# Altium PCB MB1261.PcbDoc (part 1 of 6) (continued)
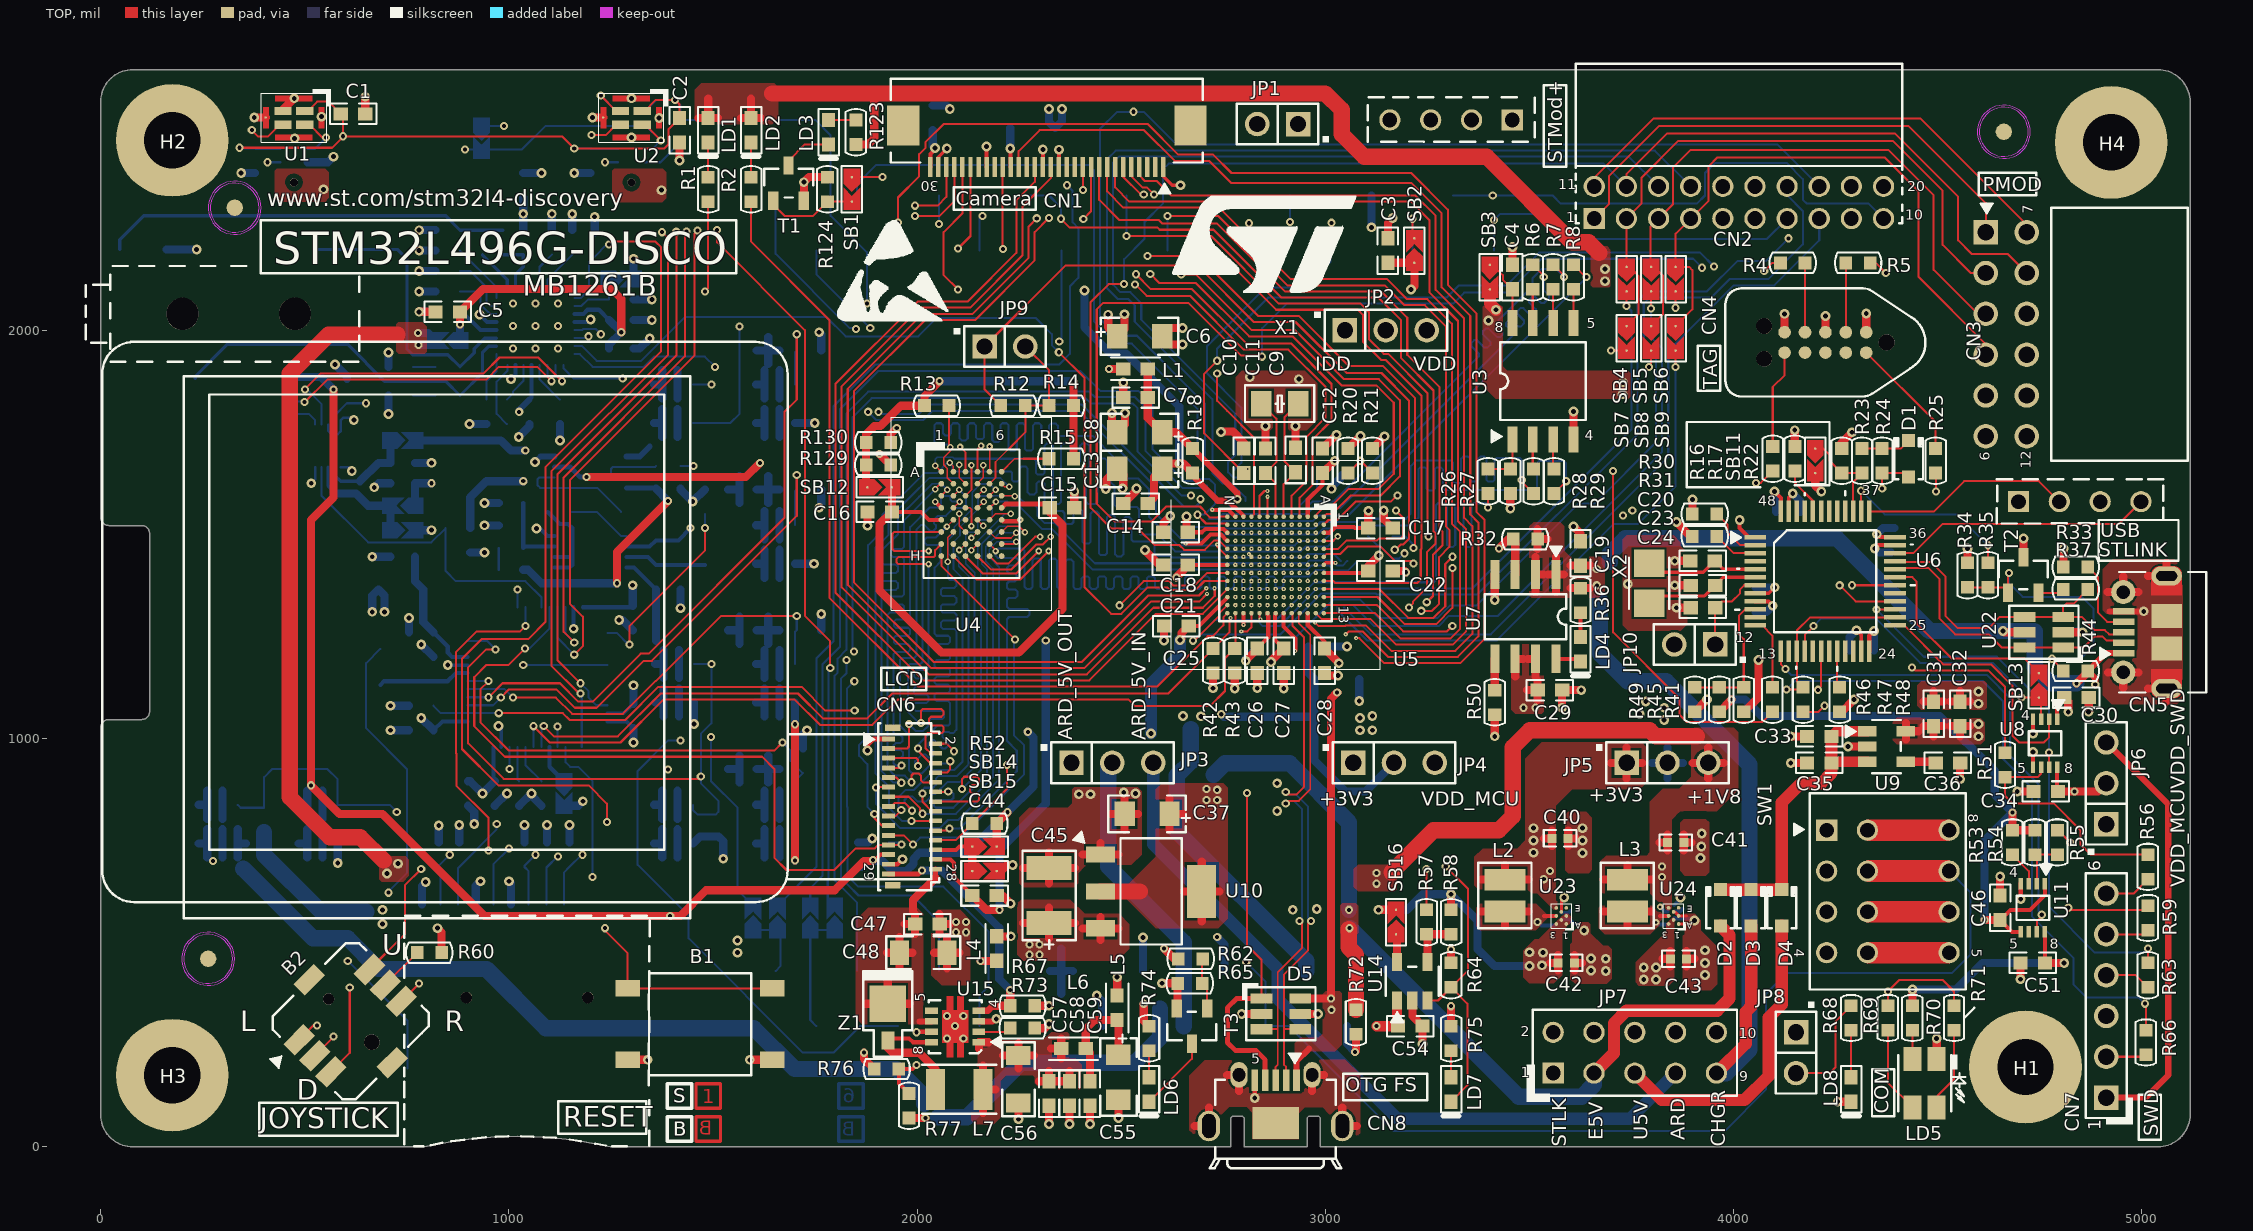
[diagram p0: TOP view]
## Components (designator, comment, footprint, x,y, rotation, side; value= is the part's Value field where it differs from the comment) (continued)
JP1 "[N/A]" SIP2 2883.1,2505 r180 top
JP2 "3 PIN Jumper" SIP3 3148.1,2000 r0 top
JP3 "3 PIN Jumper" SIP3 2478.1,940 r0 top
JP4 "Jumper3" SIP3 3168.1,940 r0 top
JP5 "3 PIN Jumper" SIP3 3838.1,940 r0 top
JP6 "3 PIN Jumper" SIP3 4913.1,890 r90 top
JP7 "Header M Straight 5x2H" HDR_2X5_2R54 3758.49,230 r0 top
JP8 "2 PIN Jumper" SIP2 4153.1,230 r270 top
JP9 "2 PIN Jumper" SIP2 2215,1960 r0 top
JP10 "[N/A]" SIP2 3905,1230 r180 top
L1 "FCM1608KF-601T03" 0603L 2535,1905 r0 top value=100uH
L2 "2.2uH" L1008_L0805_CPT 3440,615 r90 top
L3 "2.2uH" L1008_L0805_CPT 3740,615 r90 top
L4 "FCM1608KF-601T03" 0603L 2195,485 r270 top value=100uH
L5 "FCM1608KF-601T03" 0603L 2490,340 r270 top value=100uH
L6 "FCM1608KF-601T03" 0603L 2383.1,240 r180 top value=100uH
L7 "LQH32PN4R7NN0L" 1210L 2103.1,140 r180 top value=100uH
L8 "FCM1608KF-601T03" 0603L 740,1445 r0 bottom value=100uH
LD1 "19-217/S2C-AM2N2VY/3T" 0603D 1488.1,2490 r270 top
LD2 "19-213SY6C/S530-E2/TR8LED" 0603D 1593.1,2490 r270 top
LD3 "19-213SY6C/S530-E2/TR8LED" 0603D 1783.1,2485 r270 top
LD4 "19-217/R6C-AL1M2VY/3T" 0603D 3625,1218.1 r270 top
LD5 "HSMF-A201-A00J1" LED2_3528 4468.1,155 r180 top
LD6 "19-213SY6C/S530-E2/TR8LED" 0603D 2568.1,140 r270 top
LD7 "19-217/R6C-AL1M2VY/3T" 0603D 3308.1,140 r270 top
LD8 "19-213SY6C/S530-E2/TR8LED" 0603D 4288.1,140 r270 top
R1 "RC0603FR-07680RL" 0603R 1488.1,2345 r90 top value=680
R2 "RC0603FR-07510RL" 0603R 1593.1,2345 r90 top value=510
R4 "RC0603JR-07100RL" 0603R 4145,2165 r180 top value=100
R5 "RC0603JR-07100RL" 0603R 4305,2165 r0 top value=100
R6 "RC0603JR-0722RL" 0603R 3508.1,2130 r270 top value=22
R7 "RC0603JR-0722RL" 0603R 3558.1,2130 r270 top value=22
R8 "RC0603JR-0722RL" 0603R 3608.1,2130 r270 top value=22
R12 "0" 0603R 2235,1815 r180 top
R13 "RC0603FR-07100KL" 0603R 2048.1,1815 r180 top value=100K
R14 "RC0603FR-07100KL" 0603R 2353.1,1815 r0 top value=100K
R15 "RC0603FR-07100KL" 0603R 2353.1,1685 r180 top value=100K
R16 "RC0603JR-07100RL" 0603R 4096,1685 r270 top value=100
R17 "RC0603FR-07100KL" 0603R 4150,1685 r90 top value=100K
R18 "[N/A]" 0603R 2675,1680 r90 top value=0
R20 "RC0603FR-07100KL" 0603R 3055,1680 r270 top value=100K
R21 "[N/A]" 0603R 3115,1680 r270 top value=100K
R22 "RC0603FR-074K7L" 0603R 4265,1680 r270 top value=4K7
R23 "RC0603FR-072K7L" 0603R 4315,1680 r90 top value=2K7
R24 "[N/A]" 0603R 4364.1,1680 r270 top value=0Ohm
R25 "RC0603JR-07100RL" 0603R 4495,1680 r270 top value=100
R26 "RC0603JR-0722RL" 0603R 3398.1,1630 r90 top value=22
R27 "RC0603FR-0710KL" 0603R 3453.1,1630 r270 top value=10K
R28 "RC0603JR-0722RL" 0603R 3510,1630 r90 top value=22
R29 "RC0603JR-0722RL" 0603R 3560,1630 r90 top value=22
R30 "RC0603FR-0710KL" 0603R 3929.1,1550 r0 top value=10K
R31 "[N/A]" 0603R 3929.1,1495 r0 top value=100K
R32 "RC0603FR-0710KL" 0603R 3490,1488.1 r180 top value=10K
R33 "RC0603FR-07100KL" 0603R 4838.1,1420 r0 top value=100K
R34 "RC0603FR-0736KL" 0603R 4573.1,1400 r90 top value=36K
R35 "RC0603JR-07100RL" 0603R 4623.1,1400 r90 top value=100
R36 "820" 0603R 3625,1338.1 r90 top
R37 "RC0603FR-071K5L" 0603R 4838.1,1365 r0 top value=1K5
R41 "[N/A]" 0603R 4025,1095 r90 top value=100K
R42 "RC0603FR-071K5L" 0603R 2725,1190 r90 top value=1K5
R43 "RC0603FR-071K5L" 0603R 2778.1,1190 r90 top value=1K5
R44 "RC0603FR-0710KL" 0603R 4838.1,1165 r180 top value=10K
R45 "RC0603FR-074K7L" 0603R 3965,1095 r270 top value=4K7
R46 "RC0603JR-070RL" 0603R 4095,1095 r270 top value=0
R47 "RC0603JR-070RL" 0603R 4170,1095 r90 top value=0
R48 "RC0603FR-07100KL" 0603R 4260,1095 r90 top value=100K
R49 "RC0603FR-074K7L" 0603R 3905,1095 r270 top value=4K7
R50 "RC0603FR-072K2L" 0603R 3415,1088.1 r90 top value=2K2
R51 "RC0603JR-070RL" 0603R 4665,935 r270 top value=0
R52 "RC0603FR-07100KL" 0603R 2165,791.38 r0 top value=100K
R53 "RC0603FR-07100KL" 0603R 4683.1,745 r90 top value=100K
R54 "RC0603FR-07100KL" 0603R 4738.1,745 r90 top value=100K
R55 "RC0603JR-070RL" 0603R 4793.1,745 r270 top value=0
R56 "RC0603JR-07100RL" 0603R 5015,685 r90 top value=100
R57 "RC0603JR-070RL" 0603R 3248.1,550 r90 top value=0
R58 "RC0603JR-0747KL" 0603R 3308.1,550 r270 top value=47K
R59 "RC0603JR-07100RL" 0603R 5015,560 r90 top value=100
R60 "RC0603JR-07100RL" 0603R 805,475 r180 top value=100
R62 "RC0603JR-0747KL" 0603R 2670,460 r0 top value=47K
R63 "RC0603JR-07100RL" 0603R 5015,420 r90 top value=100
R64 "RC0603JR-0747KL" 0603R 3308.1,420 r270 top value=47K
R65 "RC0603JR-0710KL" 0603R 2668.1,400 r0 top value=10K
R66 "RC0603JR-07100RL" 0603R 5010,255 r90 top value=100
R67 "RC0603FR-0710RL" 0603R 2258.1,345 r0 top value=10
R68 "820" 0603R 4288.1,315 r90 top
R69 "RC0603JR-07100RL" 0603R 4378.1,315 r270 top value=100
R70 "RC0603JR-070RL" 0603R 4438.1,315 r270 top value=0
R71 "RC0603JR-07100RL" 0603R 4540,315 r270 top value=100
R72 "1K" 0603R 3075,305 r270 top
R73 "RC0603FR-07100KL" 0603R 2258.1,290 r0 top value=100K
R74 "RC0603JR-07330RL" 0603R 2568.1,265 r270 top value=330
R75 "RC0603JR-07620RL" 0603R 3308.1,265 r270 top value=620
R76 "RC0603FR-07100KL" 0603R 1925,190 r180 top value=100K
R77 "[N/A]" 0603R 1980,100 r270 top value=100K
R78 "RC0603FR-0710KL" 0603R 1298.1,2530 r0 bottom value=10K
R79 "[N/A]" 0603R 1420,2490 r90 bottom value=10K
R80 "RC0603JR-070RL" 0603R 1035,2355 r270 bottom value=0
R81 "RC0603FR-07100KL" 0603R 850,2245 r180 bottom value=100K
R82 "RC0603FR-072K2L" 0603R 985,2215 r270 bottom value=2K2
R83 "RC0603FR-0710KL" 0603R 1210,2210 r270 bottom value=10K
R84 "RC0603FR-07100KL" 0603R 1735,1950 r180 bottom value=100K
R85 "1_1%_0805" 0805R 1600,1950 r180 bottom value=1
R86 "RC0603FR-0750RL" 0603R 735,1910 r180 bottom value=50
R87 "[N/A]" 0603R 535,1855 r90 bottom value=1K5
R88 "[N/A]" 0603R 465,1855 r270 bottom value=1K5
R89 "[N/A]" 0603R 603,1851 r90 bottom value=100K
R90 "RC0603FR-0750RL" 0603R 735,1840 r180 bottom value=50
R91 "RC0603FR-0710KL" 0603R 1125,1800 r90 bottom value=10K
R92 "RC0603FR-076K04L" 0603R 1390,1666.9 r180 bottom value=6K04
R93 "RC0603JR-070RL" 0603R 3010,1645 r0 bottom value=0
R94 "RC0603FR-07100KL" 0603R 1735,1610 r0 bottom value=100K
R95 "10K_1%_0805" 0805R 1600,1610 r180 bottom value=10K
R96 "RC0603FR-076K04L" 0603R 1245,1555 r0 bottom value=6K04
R97 "RC0603FR-07300KL" 0603R 1125,1555 r180 bottom value=300K
R98 "RC0603FR-0711KL" 0603R 1005,1521.9 r180 bottom value=11K
R99 "[N/A]" 0603R 875,1515 r0 bottom value=100K
R100 "RC0603JR-0722RL" 0603R 3135,1495 r180 bottom value=22
R101 "RC0603FR-07357KL" 0603R 1005,1466.9 r0 bottom value=357K
R102 "RC0603JR-07100RL" 0603R 1480,1455 r270 bottom value=100
R103 "RC0603FR-07300KL" 0603R 1415,1455 r270 bottom value=300K
R104 "[N/A]" 0603R 875,1455 r0 bottom value=100K
R105 "RC0603JR-070RL" 0603R 1005,1413.1 r0 bottom value=0
R106 "RC0603FR-07100KL" 0603R 1735,1265 r180 bottom value=100K
R107 "24_1%_0805" 0805R 1600,1265 r180 bottom value=24
R109 "RC0603FR-07100KL" 0603R 785,1080 r0 bottom value=100K
R110 "RC0603FR-07100KL" 0603R 1720,945 r270 bottom value=100K
R111 "620_1%_0805" 0805R 1600,925 r180 bottom value=620
R112 "RC0603FR-07510RL" 0603R 1080,865 r270 bottom value=510
R113 "RC0603FR-0710KL" 0603R 1025,865 r270 bottom value=10K
R114 "RC0603JR-070RL" 0603R 900,865 r90 bottom value=0
R115 "RC0603FR-07100KL" 0603R 400,800 r90 bottom value=100K
R116 "RC0603FR-07100KL" 0603R 1513.1,790 r270 bottom value=100K
R117 "RC0603FR-07100KL" 0603R 1930,715 r90 bottom value=100K
R118 "47K" 0603R 1148.1,715 r90 bottom
R119 "47K" 0603R 1093.1,715 r90 bottom
R120 "47K" 0603R 1038.1,715 r90 bottom
R121 "47K" 0603R 878.1,715 r90 bottom
R122 "47K" 0603R 828.1,715 r90 bottom
R123 "RC0603JR-07510RL" 0603R 1850,2485 r90 top value=510
R124 "1M" 0603R 1780,2345 r90 top
R129 "RC0603JR-070RL" 0603R 1905,1670 r0 top value=0
R130 "[N/A]" 0603R 1905,1725 r0 top value=0
SB1 "Solder Bridge ON" SB_0603 1840,2345 r90 top
SB2 "Solder Bridge OFF" SB_0603 3218.1,2195 r270 top
SB3 "Solder Bridge ON" SB_0603 3403.1,2130 r90 top
SB4 "Solder Bridge OFF" SB_0603 3738.1,2125 r90 top
SB5 "Solder Bridge OFF" SB_0603 3798.1,2125 r90 top
SB6 "Solder Bridge ON" SB_0603 3858.1,2125 r90 top
SB7 "Solder Bridge ON" SB_0603 3738.1,1980 r90 top
SB8 "Solder Bridge ON" SB_0603 3798.1,1980 r90 top
SB9 "Solder Bridge OFF" SB_0603 3858.1,1980 r90 top
SB11 "Solder Bridge OFF" SB_0603 4200,1680 r90 top
SB12 "Solder Bridge ON" SB_0603 1908.1,1615 r180 top
SB13 "Solder Bridge ON" SB_0603 4748.1,1130 r270 top
SB14 "Solder Bridge ON" SB_0603 2165,735 r180 top
SB15 "Solder Bridge OFF" SB_0603 2165,675 r180 top
SB16 "Solder Bridge ON" SB_0603 3173.1,550 r270 top
SB17 "Solder Bridge ON" SB_0603 933.1,2470 r90 bottom
SB18 "Solder Bridge ON" SB_0603 1275,2125 r180 bottom
SB19 "Solder Bridge ON" SB_0603 850,1975 r0 bottom
SB20 "Solder Bridge ON" SB_0603 740,1730 r180 bottom
SB21 "Solder Bridge ON" SB_0603 740,1570 r0 bottom
SB22 "Solder Bridge OFF" SB_0603 740,1510 r180 bottom
SB24 "Solder Bridge ON" SB_0603 1135,865 r90 bottom
SB25 "Solder Bridge OFF" SB_0603 1798.1,560 r270 bottom
SB26 "Solder Bridge ON" SB_0603 1738.1,560 r270 bottom
SB27 "Solder Bridge OFF" SB_0603 1658.1,560 r270 bottom
SB28 "Solder Bridge ON" SB_0603 1598.1,560 r270 bottom
SW1 "EDG-501S" SW1_11R7X9R7-12R2X9R65-HDR_CPT 4378.1,625 r270 top
T1 "BSN20BK" SOT-23 1685,2360 r0 top
T2 "9013-SOT23" SOT-23 4710,1400 r0 top
T3 "9013-SOT23" SOT-23 2673.1,295 r180 top
T4 "STT7P2UH7" SOT23-6L 1663.1,1820 r0 bottom
T5 "STT7P2UH7" SOT23-6L 1413.1,1820 r0 bottom
T6 "STT7P2UH7" SOT23-6L 1663.1,1475 r0 bottom
T7 "STT7P2UH7" SOT23-6L 1663.1,1135 r0 bottom
T8 "STT7P2UH7" SOT23-6L 1416.2,1135 r0 bottom
T9 "STT7P2UH7" SOT23-6L 1663.1,790 r0 bottom
T10 "STT7P2UH7" SOT23-6L 1413.1,790 r0 bottom
T11 "STT7P2UH7" SOT23-6L 543.1,790 r0 bottom
T12 "STT7P2UH7" SOT23-6L 298.1,790 r0 bottom
U1 "MP34DT01TR-M" MP34DT01TR 472.94,2519.76 r270 top
U2 "MP34DT01TR-M" MP34DT01TR 1299.63,2519.76 r270 top
U3 "MX25R6435FM2IL0" SOIC8_1R27_5R28X7R9 3532.6,1875.5 r0 top
U4 "IS66WV51216EBLL-70BLI" FBGA48_0R75_6X8 2133.1,1550 r0 top
U5 "STM32L496AG" FBGA169_0R5_7X7 2878.1,1425 r270 top
U6 "STM32F103CBT6" LQFP48_0R5_9X9 4224.1,1385 r0 top
U7 "ST890CDR" SOIC8_1R27_4R9X6 3490,1298.1 r180 top
U8 "SN74LVC2T45DCUT" USOP8_0R5_2X3R1 4763.1,988 r180 top
U9 "LD3985M33R" SOT23-5 4375,980 r270 top
U10 "LD1117S50TR" SOT-223 2573.1,625 r180 top
U11 "SN74LVC2T45DCUT" USOP8_0R5_2X3R1 4733.1,585 r180 top
U12 "TPS62743" BGA8_0R4_0R9X1R6 3570,565 r180 bottom
U13 "TPS62743" BGA8_0R4_0R9X1R6 3847,568 r180 bottom
U14 "STMPS2141STR" SOT23-5 3213.1,405 r0 top
U15 "STLD40DPUR" SON8_0R65_3X3 2093.1,294 r90 top
U16 "[N/A]" RHLGA5LD 1297.29,2390 r90 bottom
U17 "[N/A]" RHLGA5LD 470.6,2390 r90 bottom
U18 "CS42L51-CNZ" QFN32_0R5_5X5 1065,2010 r270 bottom
U19 "TSZ122IST" MINISO8 1200,1651.9 r270 bottom
U20 "TSZ122IST" MINISO8 1200,1456.9 r270 bottom
U21 "STM32L152CCT6" LQFP48_0R5_9X9 1070,1150 r0 bottom
U22 "USBLC6-2SC6" SOT23-6L 4760,1260 r90 top
U23 "ST1PS01EJR" BGA8_0R312-0R25_1R11X1R41 3578.1,565 r180 top
U24 "ST1PS01EJR" BGA8_0R312-0R25_1R11X1R41 3853.1,565 r180 top
X1 "NDK NX3215SA-32.768KHZ-EXS00A-MU00525" XTAL_2SM_3R2X1R5 2887.6,1819 r180 top
X2 "NX3225GD-8.00M" XTAL_2SM_3R2X2R5 3793,1380 r90 top
Z1 "STPS1L40M" DO-216AA 1928.1,325 r270 top

## Footprints (in the part's own frame and the unit in brackets; to place one, negate y for a bottom-side part, rotate by r counter-clockwise, add the part's x,y. Pads: shape width x height; smd on the part's side, far side on the other; paste and mask are expansions set on the pad)
0402C [mil] "0402C"
  rect 22x22 smd: 1(-20,0) 2(20,0)
  silkscreen extent -40,-20 40,20, body extent -35,-14 35,14, height 150
0603C [mil] "0603C"
  rect 35x32 smd: 1(-30,0) 2(30,0)
  TOP pour cut-out: -5,-10 5,-10 5,10 -5,10 -5,-10
  silkscreen extent -57,-25 57,25
0603D [mil] "0603D"
  rect 35x32 smd: 1(-30,0) 2(30,0)
  TOP pour cut-out: -5,-10 5,-10 5,10 -5,10 -5,-10
  silkscreen extent -57,-25 65,25, body extent -50,-20 50,20, height 150
0603L [mil] "0603L"
  rect 35x32 smd: 1(-30,0) 2(30,0)
  silkscreen extent -60,-28 60,28, body extent -50,-19 50,19, height 150
0603R [mil] "0603R"
  rect 31x32 smd: 1(-30,0) 2(30,0)
  TOP pour cut-out: -5,10 -5,-10 5,-10 5,10 -5,10
  silkscreen extent -57,-25 57,25, body extent -50,-20 50,20, height 150
0805R [mil] "0805R"
  rect 40x50 smd: 1(35,0) 2(-35,0)
  silkscreen extent -70,-35 71,35, body extent -65,-25 65,25, height 150
1206C [mil] "1206C"
  rect 46x60 smd: 1(-58,0) 2(58,0)
  silkscreen extent -91,-40 91,40, body extent -81,-30 81,30, height 150
1210L [mil] "1210L"
  rect 46x100 smd: 1(-58,0) 2(58,0)
  silkscreen extent -91,-60 91,60, body extent -83,-53 83,53, height 150
BGA8_0R4_0R9X1R6 [mil] "BGA8_0R4_0R9X1R6"
  round 10 smd: A1(7.87,-23.62) A2(-7.87,-23.62) B1(7.87,-7.87) B2(-7.87,-7.87) C1(7.87,7.87) C2(-7.87,7.87) D1(7.87,23.62) D2(-7.87,23.62)
  silkscreen extent -20,-37 22,35, body extent -20,-35 20,35, height 150
BGA8_0R312-0R25_1R11X1R41 [mil] "BGA8_0R312-0R25_1R11X1R41"
  round 9 smd mask+1: A1(-12.28,19.69) A3(12.28,19.69) B2(0,9.84) C1(-12.28,0) C3(12.28,0) D2(0,-9.84) E1(-12.28,-19.69) E3(12.28,-19.69)
  silkscreen extent -30,-30 25,35, body extent -22,-28 22,28, height 150
DF37NB-10DS-0R4V [mil] "DF37NB-10DS-0R4V"
  rect 8x27 smd: 1(-31.82,52.17) 2(-16.07,52.17) 3(-0.32,52.17) 4(15.43,52.17) 5(31.18,52.17) 6(31.18,-52.17) 7(15.43,-52.17) 8(-0.32,-52.17) 9(-16.07,-52.17) 10(-31.82,-52.17)
  rect 16x43 smd: 11(79.99,0) 12(-80.63,0)
  silkscreen extent -83,-46 83,79, body extent -90,-70 90,70, height 150
DO-216AA [mil] "DO-216AA"
  rect 45x32 smd: 1(65,0)
  rect 90x89 smd: 2(-25,0)
  silkscreen extent -105,-60 105,60, body extent -100,-55 100,55, height 150
FBGA48_0R75_6X8 [mil] "FBGA48_0R75_6X8"
  round 14 smd mask+2: A1(-73.82,103.35) A2(-44.29,103.35) A3(-14.76,103.35) A4(14.76,103.35) A5(44.29,103.35) A6(73.82,103.35) B1(-73.82,73.82) B2(-44.29,73.82) B3(-14.76,73.82) B4(14.76,73.82) B5(44.29,73.82) B6(73.82,73.82) C1(-73.82,44.29) C2(-44.29,44.29) C3(-14.76,44.29) C4(14.76,44.29) C5(44.29,44.29) C6(73.82,44.29) D1(-73.82,14.76) D2(-44.29,14.76) D3(-14.76,14.76) D4(14.76,14.76) D5(44.29,14.76) D6(73.82,14.76) E1(-73.82,-14.76) E2(-44.29,-14.76) E3(-14.76,-14.76) E4(14.76,-14.76) E5(44.29,-14.76) E6(73.82,-14.76) F1(-73.82,-44.29) F2(-44.29,-44.29) F3(-14.76,-44.29) F4(14.76,-44.29) F5(44.29,-44.29) F6(73.82,-44.29) G1(-73.82,-73.82) G2(-44.29,-73.82) G3(-14.76,-73.82) G4(14.76,-73.82) G5(44.29,-73.82) G6(73.82,-73.82) H1(-73.82,-103.35) H2(-44.29,-103.35) H3(-14.76,-103.35) H4(14.76,-103.35) H5(44.29,-103.35) H6(73.82,-103.35)
  silkscreen extent -197,-236 197,236, body extent -120,-160 120,160, height 150
FBGA169_0R5_7X7 [mil] "FBGA169_0R5_7X7"
  round 11 smd mask+2: A1(-118.11,118.11) A2(-98.43,118.11) A3(-78.74,118.11) A4(-59.06,118.11) A5(-39.37,118.11) A6(-19.69,118.11) A7(0,118.11) A8(19.69,118.11) A9(39.37,118.11) A10(59.06,118.11) A11(78.74,118.11) A12(98.43,118.11) A13(118.11,118.11) B1(-118.11,98.43) B2(-98.43,98.43) B3(-78.74,98.43) B4(-59.06,98.43) B5(-39.37,98.43) B6(-19.69,98.43) B7(0,98.43) B8(19.69,98.43) B9(39.37,98.43) B10(59.06,98.43) B11(78.74,98.43) B12(98.43,98.43) B13(118.11,98.43) C1(-118.11,78.74) C2(-98.43,78.74) C3(-78.74,78.74) C4(-59.06,78.74) C5(-39.37,78.74) C6(-19.69,78.74) C7(0,78.74) C8(19.69,78.74) C9(39.37,78.74) C10(59.06,78.74) C11(78.74,78.74) C12(98.43,78.74) C13(118.11,78.74) D1(-118.11,59.06) D2(-98.43,59.06) D3(-78.74,59.06) D4(-59.06,59.06) D5(-39.37,59.06) D6(-19.69,59.06) D7(0,59.06) D8(19.69,59.06) D9(39.37,59.06) D10(59.06,59.06) D11(78.74,59.06) D12(98.43,59.06) D13(118.11,59.06) E1(-118.11,39.37) E2(-98.43,39.37) E3(-78.74,39.37) E4(-59.06,39.37) E5(-39.37,39.37) E6(-19.69,39.37) E7(0,39.37) E8(19.69,39.37) E9(39.37,39.37) E10(59.06,39.37) E11(78.74,39.37) E12(98.43,39.37) E13(118.11,39.37) F1(-118.11,19.69) F2(-98.43,19.69) F3(-78.74,19.69) F4(-59.06,19.69) F5(-39.37,19.69) F6(-19.69,19.69) F7(0,19.69) F8(19.69,19.69) F9(39.37,19.69) F10(59.06,19.69) F11(78.74,19.69) F12(98.43,19.69) F13(118.11,19.69) G1(-118.11,0) G2(-98.43,0) G3(-78.74,0) G4(-59.06,0) G5(-39.37,0) G6(-19.69,0) G7(0,0) G8(19.69,0) G9(39.37,0) G10(59.06,0) G11(78.74,0) G12(98.43,0) G13(118.11,0) H1(-118.11,-19.69) H2(-98.43,-19.69) H3(-78.74,-19.69) H4(-59.06,-19.69) H5(-39.37,-19.69) H6(-19.69,-19.69) H7(0,-19.69) H8(19.69,-19.69) H9(39.37,-19.69) H10(59.06,-19.69) H11(78.74,-19.69) H12(98.43,-19.69) H13(118.11,-19.69) J1(-118.11,-39.37) J2(-98.43,-39.37) J3(-78.74,-39.37) J4(-59.06,-39.37) J5(-39.37,-39.37) J6(-19.69,-39.37) J7(0,-39.37) J8(19.69,-39.37) J9(39.37,-39.37) J10(59.06,-39.37) J11(78.74,-39.37) J12(98.43,-39.37) J13(118.11,-39.37) K1(-118.11,-59.06) K2(-98.43,-59.06) K3(-78.74,-59.06) K4(-59.06,-59.06) K5(-39.37,-59.06) K6(-19.69,-59.06) K7(0,-59.06) K8(19.69,-59.06) K9(39.37,-59.06) K10(59.06,-59.06) K11(78.74,-59.06) K12(98.43,-59.06) K13(118.11,-59.06) L1(-118.11,-78.74) L2(-98.43,-78.74) L3(-78.74,-78.74) L4(-59.06,-78.74) L5(-39.37,-78.74) L6(-19.69,-78.74) L7(0,-78.74) L8(19.69,-78.74) L9(39.37,-78.74) L10(59.06,-78.74) L11(78.74,-78.74) L12(98.43,-78.74) L13(118.11,-78.74) M1(-118.11,-98.43) M2(-98.43,-98.43) M3(-78.74,-98.43) M4(-59.06,-98.43) M5(-39.37,-98.43) M6(-19.69,-98.43) M7(0,-98.43) M8(19.69,-98.43) M9(39.37,-98.43) M10(59.06,-98.43) M11(78.74,-98.43) M12(98.43,-98.43) M13(118.11,-98.43) N1(-118.11,-118.11) N2(-98.43,-118.11) N3(-78.74,-118.11) N4(-59.06,-118.11) N5(-39.37,-118.11) N6(-19.69,-118.11) N7(0,-118.11) N8(19.69,-118.11) N9(39.37,-118.11) N10(59.06,-118.11) N11(78.74,-118.11) N12(98.43,-118.11) N13(118.11,-118.11)
  silkscreen extent -256,-256 256,256, body extent -138,-138 138,138, height 150
FH26-29S-0R3SHW [mil] "FH26-29S-0R3SHW"
  rect 12x32 smd: 1(-164.05,-59.59) 3(-140.43,-59.59) 5(-116.81,-59.59) 7(-93.19,-59.59) 9(-69.57,-59.59) 11(-45.94,-59.59) 13(-22.32,-59.59) 15(1.3,-59.59) 17(24.92,-59.59) 19(48.54,-59.59) 21(72.17,-59.59) 23(95.79,-59.59) 25(119.41,-59.59) 27(143.03,-59.59) 29(166.65,-59.59)
  rect 11x32 smd mask+2: 2(-152.24,54.59) 4(-128.62,54.59) 6(-105,54.59) 8(-81.38,54.59) 10(-57.76,54.59) 12(-34.13,54.59) 14(-10.51,54.59) 16(13.11,54.59) 18(36.73,54.59) 20(60.36,54.59) 22(83.98,54.59) 24(107.6,54.59) 26(131.22,54.59) 28(154.84,54.59)
  rect 16x37 smd: " "(-191.61,-49.74) " "(194.21,-49.74)
  silkscreen extent -202,-120 207,65, body extent -204,-75 204,75, height 150
FPU330ZH-BT1D3-CA [mil] "FPU330ZH-BT1D3-CA"
  rect 11x49 smd mask+2: 1(-285,92.5) 2(-265.31,92.5) 3(-245.63,92.5) 4(-225.94,92.5) 5(-206.26,92.5) 6(-186.57,92.5) 7(-166.89,92.5) 8(-147.2,92.5) 9(-127.52,92.5) 10(-107.83,92.5) 11(-88.15,92.5) 12(-68.46,92.5) 13(-48.78,92.5) 14(-29.09,92.5) 15(-9.41,92.5) 16(10.28,92.5) 17(29.96,92.5) 18(49.65,92.5) 19(69.33,92.5) 20(89.02,92.5) 21(108.7,92.5) 22(128.39,92.5) 23(148.07,92.5) 24(167.76,92.5) 25(187.44,92.5) 26(207.13,92.5) 27(226.81,92.5) 28(246.5,92.5) 29(266.18,92.5) 30(285.87,92.5)
  rect 79x98 smd: 31(-351.54,-8.88) 32(352.4,-8.88)
  silkscreen extent -381,-123 382,158, body extent -395,-123 395,123, height 150
HDR_1X4_2R54 [mil] "HDR_1X4_2R54"
  rect 52x52 hole 36: 1(150,0)
  round 52 hole 36: 2(50,0) 3(-50,0) 4(-150,0)
  silkscreen extent -205,-55 220,70, body extent -200,-50 200,50, height 150
HDR_1X6_2R54_W [mil] "HDR_1X6_2R54_W"
  rect 60x60 / inner round 60 / far side rect 60x60 hole 40: 1(-250,0)
  round 60 hole 40: 2(-150,0) 3(-50,0) 4(50,0) 5(150,0) 6(250,0)
  silkscreen extent -315,-65 300,50, body extent -300,-50 300,50, height 150
HDR_2X5_2R54 [mil] "HDR_2X5_2R54"
  rect 52x52 hole 36: 1(-200.39,-50)
  round 52 hole 36: 2(-200.39,50) 3(-100.39,-50) 4(-100.39,50) 5(-0.39,-50) 6(-0.39,50) 7(99.61,-50) 8(99.61,50) 9(199.61,-50) 10(199.61,50)
  silkscreen extent -265,-120 250,105, body extent -245,-100 245,100, height 150
HOLE_C7D3R5 [mil] "HOLE_C7D3R5"
  round 276 hole 138: 1(0,0)
  body extent -144,-144 144,144, height 150
L1008_L0805_CPT [mil] "L1008_L0805_CPT"
  rect 53x100 smd: 1(-39,0) 2(39,0)
  silkscreen extent -80,-65 80,65, body extent -70,-55 70,55, height 150
LED2_3528 [mil] "LED2_3528"
  rect 44x59 smd: 1(-29.53,-59.06) 2(-29.53,59.06) 3(29.53,59.06) 4(29.53,-59.06)
  silkscreen extent -100,-70 65,69, body extent -55,-90 55,90, height 150
LQFP48_0R5_9X9 [mil] "LQFP48_0R5_9X9"
  rect 53x11 smd mask+2: 1(-171.26,108.27) 2(-171.26,88.58) 3(-171.26,68.9) 4(-171.26,49.21) 5(-171.26,29.53) 6(-171.26,9.84) 7(-171.26,-9.84) 8(-171.26,-29.53) 9(-171.26,-49.21) 10(-171.26,-68.9) 11(-171.26,-88.58) 12(-171.26,-108.27) 25(171.26,-108.27) 26(171.26,-88.58) 27(171.26,-68.9) 28(171.26,-49.21) 29(171.26,-29.53) 30(171.26,-9.84) 31(171.26,9.84) 32(171.26,29.53) 33(171.26,49.21) 34(171.26,68.9) 35(171.26,88.58) 36(171.26,108.27)
  rect 11x53 smd mask+2: 13(-108.27,-171.26) 14(-88.58,-171.26) 15(-68.9,-171.26) 16(-49.21,-171.26) 17(-29.53,-171.26) 18(-9.84,-171.26) 19(9.84,-171.26) 20(29.53,-171.26) 21(49.21,-171.26) 22(68.9,-171.26) 23(88.58,-171.26) 24(108.27,-171.26) 37(108.27,171.26) 38(88.58,171.26) 39(68.9,171.26) 40(49.21,171.26) 41(29.53,171.26) 42(9.84,171.26) 43(-9.84,171.26) 44(-29.53,171.26) 45(-49.21,171.26) 46(-68.9,171.26) 47(-88.58,171.26) 48(-108.27,171.26)
  silkscreen extent -230,-220 220,220
MICRO_USB_B_105017 [mil] "MICRO_USB_B_105017"
  rect 16x53 smd: 1(-51.18,85.45) 2(-25.59,85.45) 3(0,85.45) 4(25.59,85.45) 5(51.18,85.45)
  oval 47x75 hole 24 slot 51 at 90 deg: 6(-137.8,-19.86) 7(137.8,-19.86)
  round 59 hole 33: 8(-98.43,86.44) 9(98.43,86.44)
  rect 59x75 smd: 10(-39.37,-19.86) 11(39.37,-19.86)
  TOP region: 161.42,-37.58 161.42,-2.15 161.42,-2.15 161.35,-0.43 161.12,1.27 160.75,2.95 160.23,4.58 159.58,6.17 158.78,7.69 157.86,9.14 156.81,10.51 155.65,11.77 154.39,12.93 153.02,13.98 151.58,14.9 150.05,15.7 148.46,16.35 146.83,16.87 145.15,17.24 143.45,17.47 141.73,17.54 90.55,17.54 90.55,-57.26 141.73,-57.26 141.73,-57.26 143.45,-57.19 145.15,-56.96 146.82,-56.59 148.46,-56.08 150.05,-55.42 151.57,-54.63 153.02,-53.71 154.38,-52.66 155.65,-51.5 156.81,-50.24 157.86,-48.88 158.78,-47.43 159.57,-45.91 160.23,-44.32 160.75,-42.68 161.12,-41.01 161.34,-39.31 161.42,-37.59 161.42,-37.58
  TOP region: -161.42,-2.15 -161.42,-37.58 -161.42,-37.58 -161.35,-39.3 -161.12,-41 -160.75,-42.67 -160.23,-44.31 -159.58,-45.9 -158.78,-47.42 -157.86,-48.87 -156.82,-50.23 -155.66,-51.5 -154.39,-52.66 -153.03,-53.7 -151.58,-54.62 -150.06,-55.42 -148.47,-56.07 -146.83,-56.59 -145.16,-56.96 -143.46,-57.19 -141.74,-57.26 -141.73,-57.26 -90.55,-57.26 -90.55,17.54 -141.73,17.54 -141.73,17.54 -143.45,17.47 -145.15,17.24 -146.83,16.87 -148.46,16.35 -150.05,15.7 -151.58,14.9 -153.02,13.98 -154.39,12.93 -155.65,11.77 -156.81,10.51 -157.86,9.14 -158.78,7.69 -159.58,6.17 -160.23,4.58 -160.75,2.95 -161.12,1.27 -161.35,-0.43 -161.42,-2.15
  silkscreen extent -148,-116 148,143, body extent -165,-118 165,118, height 150
MINISO8 [mil] "MINISO8"
  rect 14x47 smd: 1(38.39,87.99) 2(12.8,87.99) 3(-12.8,87.99) 4(-38.39,87.99) 5(-38.39,-87.99) 6(-12.8,-87.99) 7(12.8,-87.99) 8(38.39,-87.99)
  silkscreen extent -65,-45 83,139, body extent -59,-115 59,115, height 150
MOLEX_47590001 [mil] "MOLEX_47590001"
  rect 16x53 smd: 1(51.18,85.06) 2(25.59,85.06) 3(0,85.06) 4(-25.59,85.06) 5(-51.18,85.06)
  oval 42x63 hole 30 slot 33 at 90 deg: 6(89.57,97.86) 7(-89.57,97.86)
  oval 55x75 hole 33 slot 59 at 90 deg: 8(-163.39,-27.34) 9(163.39,-27.34)
  rect 114x79 smd: 10(0,-20.25)
  silkscreen extent -161,-131 161,151, body extent -190,-130 190,130, height 150
MP34DT01TR [mil] "MP34DT01TR"
  rect 20x42 smd: 1(-16.97,26.73) 2(-16.97,-26.41) 3(16.49,-26.41) 4(16.49,26.73)
  round 6 smd: 5(-1.24,-68.84)
  TOP region: -25.83,-60.95 -25.83,-74.73 25.35,-74.73 25.35,-60.95 -25.83,-60.95
  TOP region: -55.13,45.44 -55.13,-45.12 -41.35,-45.12 -41.35,45.44 -55.13,45.44
  TOP region: -25.83,75.05 -25.83,61.27 25.35,61.27 25.35,75.05 -25.83,75.05
  TOP region: 40.87,45.44 40.87,-45.12 54.65,-45.12 54.65,45.44 40.87,45.44
  silkscreen extent -70,-80 60,90, body extent -59,-79 59,79, height 150
MSD_PJS008_ [mil] "MSD_PJS008_"
  rect 32x63 smd: 1(99.43,-278.35) 2(56.12,-278.35) 3(12.81,-278.35) 4(-30.49,-278.35) 5(-73.8,-278.35) 6(-117.11,-278.35) 7(-160.41,-278.35) 8(-203.72,-278.35)
  rect 33x63 smd: 9(-249,-278.35)
  rect 77x75 smd: 10(-284.43,123.23)
  rect 60x121 smd: 11(-293.29,239.37)
  rect 55x135 smd: 12(295.41,239.65)
  rect 63x138 smd: 13(291.36,-193.7)
  rect 47x122 smd: 14(-299.19,-213.39)
  round 28 hole 28 unplated: " "(-139.74,-50) " "(157.5,-50)
  Multi-Layer pour cut-out: 128.48,-50 130.69,-61.11 136.98,-70.52 146.39,-76.81 157.5,-79.02 157.5,-79.02 168.61,-76.81 178.02,-70.52 184.31,-61.11 186.52,-50 186.52,-50 184.31,-38.89 178.02,-29.48 168.61,-23.19 157.5,-20.98 157.5,-20.98 146.39,-23.19 136.98,-29.48 130.69,-38.89 128.48,-50
  Multi-Layer pour cut-out: -168.76,-50 -166.55,-61.11 -160.26,-70.52 -150.85,-76.81 -139.74,-79.02 -139.74,-79.02 -128.63,-76.81 -119.22,-70.52 -112.93,-61.11 -110.72,-50 -110.72,-50 -112.93,-38.89 -119.22,-29.48 -128.63,-23.19 -139.74,-20.98 -139.74,-20.98 -150.85,-23.19 -160.26,-29.48 -166.55,-38.89 -168.76,-50
  silkscreen extent -292,-341 308,315, body extent -328,-315 328,315, height 150
MT-008A [mil] "MT-008A"
  rect 39.99x70 smd: 1(-58.87,-123.3) 2(-3.75,-123.29) 3(51.37,-123.3) 4(51.37,120.81) 5(-3.75,120.8) 6(-58.87,120.81) 7(-145.48,-1.24) 8(141.92,-1.24)
  round 28 hole 28 unplated: " "(-78.55,-1.24)
  round 39 hole 39 unplated: " "(71.05,-1.24)
  Multi-Layer pour cut-out: 35.61,-1.24 38.31,-14.81 45.99,-26.3 57.49,-33.99 71.05,-36.68 71.05,-36.68 84.61,-33.99 96.11,-26.3 103.79,-14.81 106.49,-1.24 106.49,-1.24 103.79,12.32 96.11,23.82 84.61,31.5 71.05,34.2 71.05,34.2 57.49,31.5 45.99,23.82 38.31,12.32 35.61,-1.24
  Multi-Layer pour cut-out: -78.55,-30.76 -89.84,-28.52 -99.42,-22.12 -105.82,-12.54 -108.07,-1.24 -108.07,-1.24 -105.82,10.05 -99.42,19.63 -89.84,26.03 -78.55,28.28 -78.55,28.28 -67.25,26.03 -57.67,19.63 -51.27,10.05 -49.03,-1.24 -49.03,-1.24 -51.27,-12.54 -57.67,-22.12 -67.25,-28.52 -78.55,-30.76
  silkscreen extent -145,-207 142,148, body extent -169,-161 166,159, height 150
PB10 [mil] "PB10"
  rect 60x40 smd paste+12: 1(-177.16,-87.5) 2(-177.16,87.5) 3(177.18,87.5) 4(177.18,-87.5)
  silkscreen extent -125,-125 125,125, body extent -207,-108 207,108, height 150
PJ3028B [mil] "PJ3028B"
  rect 48x98 smd: 2(301.79,157.48) 7(226.99,-157.48)
  rect 79x98 smd: 3(187.62,157.48) 4(116.75,-157.48) 6(-174.58,157.48)
  rect 98x79 smd: 5(-334.03,-31.5)
  round 79 hole 79 unplated: " "(-127.34,0) " "(148.25,0)
  Multi-Layer pour cut-out: -127.34,-54.33 -148.13,-50.19 -165.76,-38.42 -177.53,-20.79 -181.67,0 -181.67,0 -177.53,20.79 -165.76,38.42 -148.13,50.19 -127.34,54.33 -127.34,54.33 -106.55,50.19 -88.92,38.42 -77.15,20.79 -73.01,0 -73.01,0 -77.15,-20.79 -88.92,-38.42 -106.55,-50.19 -127.34,-54.33
  Multi-Layer pour cut-out: 148.25,-54.33 127.46,-50.19 109.83,-38.42 98.06,-20.79 93.92,0 93.92,0 98.06,20.79 109.83,38.42 127.46,50.19 148.25,54.33 148.25,54.33 169.04,50.19 186.67,38.42 198.44,20.79 202.58,0 202.58,0 198.44,-20.79 186.67,-38.42 169.04,-50.19 148.25,-54.33
  silkscreen extent -285,-118 384,118, body extent -383,-210 383,210, height 150
QFN32_0R5_5X5 [mil] "QFN32_0R5_5X5"
  oval 34x11 smd mask+2: 1(95.28,-68.9) 2(95.28,-49.21) 3(95.28,-29.53) 4(95.28,-9.84) 5(95.28,9.84) 6(95.28,29.53) 7(95.28,49.21) 8(95.28,68.9) 17(-95.28,68.9) 18(-95.28,49.21) 19(-95.28,29.53) 20(-95.28,9.84) 21(-95.28,-9.84) 22(-95.28,-29.53) 23(-95.28,-49.21) 24(-95.28,-68.9)
  oval 11x34 smd mask+2: 9(68.9,95.28) 10(49.21,95.28) 11(29.53,95.28) 12(9.84,95.28) 13(-9.84,95.28) 14(-29.53,95.28) 15(-49.21,95.28) 16(-68.9,95.28) 25(-68.9,-95.28) 26(-49.21,-95.28) 27(-29.53,-95.28) 28(-9.84,-95.28) 29(9.84,-95.28) 30(29.53,-95.28) 31(49.21,-95.28) 32(68.9,-95.28)
  rect 135x135 smd: 33(0,0)
  silkscreen extent -105,-110 144,105, body extent -115,-115 115,115, height 150
RHLGA5LD [mil] "RHLGA5LD"
  rect 23x30 smd: 1(53.7,35.47) 2(21.34,35.47) 4(21.34,-30.47) 5(53.7,-30.47)
  round 6 smd: 3(-28,-23.5)
  round 20 hole 20: " "(-27.95,2.5)
  Multi-Layer pour cut-out: -39,-15 -45.98,-8.15 -49.13,1.11 -47.77,10.79 -42.19,18.82 -33.59,23.48 -23.82,23.76 -14.96,19.61 -8.93,11.91 -7.01,2.32 -7.01,2.32 -8.77,-6.39 -14.06,-13.53 -21.87,-17.76 -30.74,-18.29 -39,-15
  silkscreen extent -75,-58 75,63, body extent -70,-53 70,53, height 150
SB_0603 [mil] "SB_0603"
  round 6 smd: 1(-30,0) 2(30,0)
  TOP region: 50,20 50,-20 13.75,-20 -6.25,0 13.75,20 50,20
  TOP region: -50,-20 3.75,-20 -10.75,-5.5 -16.32,0.08 3.6,20 -50,20 -50,-20
  silkscreen extent -57,-25 57,25, body extent -50,-20 50,20, height 150
SIP2 [mil] "SIP2"
  rect 60x60 / inner round 60 / far side rect 60x60 hole 40: 1(-50,0)
  round 60 hole 40: 2(50,0)
  silkscreen extent -125,-50 100,50
SIP3 [mil] "SIP3"
  rect 60x60 / inner round 60 / far side rect 60x60 hole 40: 1(-100,0)
  round 60 hole 40: 2(0,0) 3(100,0)
  silkscreen extent -175,-50 150,50
SOD-323 [mil] "SOD-323"
  rect 32x32 smd: 1(44.29,1) 2(-44.29,1)
  silkscreen extent -50,-34 50,36, body extent -65,-26 65,26, height 150
SOIC8_1R27_4R9X6 [mil] "SOIC8_1R27_4R9X6"
  rect 22x70 smd: 1(-75,-103.3) 2(-25,-103.3) 3(25,-103.3) 4(75,-103.3) 5(75,103.3) 6(25,103.3) 7(-25,103.3) 8(-75,103.3)
  silkscreen extent -100,-172 100,55, body extent -96,-141 96,141, height 150
SOIC8_1R27_5R28X7R9 [mil] "SOIC8_1R27_5R28X7R9"
  rect 24x64 smd: 1(-74.5,-143.22) 2(-24.5,-143.22) 3(25.5,-143.22) 4(75.5,-143.22) 5(75.5,142.22) 6(25.5,142.22) 7(-24.5,142.22) 8(-74.5,142.22)
  silkscreen extent -125,-151 106,94, body extent -104,-178 104,178, height 150
SON8_0R65_3X3 [mil] "SON8_0R65_3X3"
  rect 16x31 smd: 1(-38.39,-58.07) 2(-12.8,-58.07) 3(12.8,-58.07) 4(38.39,-58.07) 5(38.39,58.07) 6(12.8,58.07) 7(-12.8,58.07) 8(-38.39,58.07)
  oct 1x1 smd: 9(0,0)
  silkscreen extent -65,-113 65,65, body extent -78,-78 78,78, height 150
SOT23-5 [mil] "SOT23-5"
  rect 25x45 smd: 1(-37.4,-47.24) 2(0,-47.24) 3(37.4,-47.24) 4(37.4,47.24) 5(-37.4,47.24)
  silkscreen extent -65,-101 65,35, body extent -57,-70 57,70, height 150

## Text inside footprints (layer, text, board x,y; h text height)
U8: DXF_0731 "6" at 4746.86,928.94 h16 r180; DXF_0731 "3" at 4746.86,1047.06 h16 r180; DXF_0731 "7" at 4766.54,928.94 h16 r180; DXF_0731 "2" at 4766.54,1047.06 h16 r180; DXF_0731 "8" at 4786.23,928.94 h16 r180; DXF_0731 "1" at 4786.23,1047.06 h16 r180; DXF_0731 "5" at 4727.17,928.94 h16 r180; DXF_0731 "4" at 4727.17,1047.06 h16 r180; DXF_0731 "USOP8_0R5_2x3R1" at 4596.1,1231 h30 r180; DXF_0731 "Sofer Lib Information" at 4915.1,570 h25 r180; DXF_0731 "Ref PN: SN74LV2G08DCU" at 4885.1,620 h25 r180; DXF_0731 "Creat : Yuki" at 4885.1,660 h25 r180; DXF_0731 "Date  : 2009-09-28" at 4885.1,700 h25 r180; DXF_0731 "Rev   : A1" at 4885.1,740 h25 r180; DXF_0731 "Remark: XQ_PRO27_XC100" at 4885.1,780 h25 r180; DXF_0731 "OK" at 4735.1,1003 h35 r180; DXF_0731 "0.5" at 4716.1,866 h16 r180; DXF_0731 "2" at 4769.1,831 h16 r180; DXF_0731 "3.1" at 4691.1,996 h16 r180; Top Overlay "8" at 4810,915 h25; Top Overlay "5" at 4695,915 h25; Top Overlay "4" at 4705,1045 h25
U9: DXF_0731 "4" at 4415.84,942.6 h16 r270; DXF_0731 "1" at 4321.36,1017.4 h16 r270; DXF_0731 "3" at 4321.36,942.6 h16 r270; DXF_0731 "5" at 4415.84,1017.4 h16 r270; DXF_0731 "2" at 4321.36,980 h16 r270; DXF_0731 "Approved" at 4263,980 h35 r270; DXF_0731 "Remark: ***" at 4497,1071 h25 r270; DXF_0731 "Rev   : A1" at 4537,1071 h25 r270; DXF_0731 "Date  : 2007-11-01" at 4577,1071 h25 r270; DXF_0731 "Creat : Sofer Tech" at 4617,1071 h25 r270; DXF_0731 "Ref PN: ***" at 4657,1071 h25 r270; DXF_0731 "Sofer Lib Information" at 4707,1101 h25 r270; DXF_0731 "SOT23-5" at 4131,990 h30 r270
U10: DXF_0731 "3" at 2448.02,539.78 h16 r180; DXF_0731 "1" at 2448.02,720.89 h16 r180; DXF_0731 "4" at 2696.05,630.33 h16 r180; DXF_0731 "2" at 2448.02,630.33 h16 r180; DXF_0731 "Creat : Sofer Tech" at 2678.1,245 h25 r180; DXF_0731 "Sofer Lib Information" at 2708.1,155 h25 r180; DXF_0731 "Ref PN: LM1117S" at 2678.1,205 h25 r180; DXF_0731 "Date  : 2007-**-**" at 2678.1,285 h25 r180; DXF_0731 "Rev   : A1" at 2678.1,325 h25 r180; DXF_0731 "Remark: ***" at 2678.1,365 h25 r180; DXF_0731 "Approved" at 2472.77,636.67 h35 r180; DXF_0731 "SOT-223" at 2464.1,830 h30 r180; DXF_0731 "2.3" at 2386.1,683 h16 r180; DXF_0731 "4.6" at 2336.1,648 h16 r180; DXF_0731 "6.5" at 2291.1,648 h16 r180; DXF_0731 "3.56" at 2602.1,473 h16 r180; DXF_0731 "7.112" at 2603.1,443 h16 r180
U11: DXF_0731 "2" at 4736.54,644.06 h16 r180; DXF_0731 "3" at 4716.86,644.06 h16 r180; DXF_0731 "7" at 4736.54,525.94 h16 r180; DXF_0731 "1" at 4756.23,644.06 h16 r180; DXF_0731 "5" at 4697.17,525.94 h16 r180; DXF_0731 "6" at 4716.86,525.94 h16 r180; DXF_0731 "8" at 4756.23,525.94 h16 r180; DXF_0731 "4" at 4697.17,644.06 h16 r180; DXF_0731 "USOP8_0R5_2x3R1" at 4566.1,828 h30 r180; DXF_0731 "Sofer Lib Information" at 4885.1,167 h25 r180; DXF_0731 "Ref PN: SN74LV2G08DCU" at 4855.1,217 h25 r180; DXF_0731 "Creat : Yuki" at 4855.1,257 h25 r180; DXF_0731 "Date  : 2009-09-28" at 4855.1,297 h25 r180; DXF_0731 "Rev   : A1" at 4855.1,337 h25 r180; DXF_0731 "Remark: XQ_PRO27_XC100" at 4855.1,377 h25 r180; DXF_0731 "OK" at 4705.1,600 h35 r180; DXF_0731 "0.5" at 4686.1,463 h16 r180; DXF_0731 "2" at 4739.1,428 h16 r180; DXF_0731 "3.1" at 4661.1,593 h16 r180; Top Overlay "8" at 4775,485 h25; Top Overlay "5" at 4675,485 h25; Top Overlay "4" at 4675,660 h25
U12: DXF_0731 "C2" at 3565.74,577.54 h16 r180; DXF_0731 "A1" at 3550,546.05 h16 r180; DXF_0731 "B2" at 3565.74,561.8 h16 r180; DXF_0731 "D1" at 3550,593.29 h16 r180; DXF_0731 "C1" at 3550,577.54 h16 r180; DXF_0731 "B1" at 3550,561.8 h16 r180; DXF_0731 "D2" at 3565.74,593.29 h16 r180; DXF_0731 "A2" at 3565.74,546.05 h16 r180; DXF_0731 "Sofer Lib Information" at 3354,274 h25 r180; DXF_0731 "Ref PN: TPS62743YFPT" at 3384,324 h25 r180; DXF_0731 "Creat : Ziv" at 3384,364 h25 r180; DXF_0731 "Date  : 2015-09-06" at 3384,404 h25 r180; DXF_0731 "Rev   : A1" at 3384,444 h25 r180; DXF_0731 "Remark: D943-001A11" at 3384,484 h25 r180; DXF_0731 "BGA8_0R4_0R9X1R6" at 3386,655 h30 r180; DXF_0731 "NO" at 3542,565 h35 r180; Bottom Overlay "1" at 3546,520 h16 r180; Bottom Overlay "2" at 3566,520 h16 r180; Bottom Overlay "D" at 3526,590 h16 r180; Bottom Overlay "A" at 3526,545 h16 r180
U13: DXF_0731 "C2" at 3842.74,580.54 h16 r180; DXF_0731 "A1" at 3827,549.05 h16 r180; DXF_0731 "B2" at 3842.74,564.8 h16 r180; DXF_0731 "D2" at 3842.74,596.29 h16 r180; DXF_0731 "C1" at 3827,580.54 h16 r180; DXF_0731 "B1" at 3827,564.8 h16 r180; DXF_0731 "D1" at 3827,596.29 h16 r180; DXF_0731 "A2" at 3842.74,549.05 h16 r180; DXF_0731 "Sofer Lib Information" at 3631,277 h25 r180; DXF_0731 "Ref PN: TPS62743YFPT" at 3661,327 h25 r180; DXF_0731 "Creat : Ziv" at 3661,367 h25 r180; DXF_0731 "Date  : 2015-09-06" at 3661,407 h25 r180; DXF_0731 "Rev   : A1" at 3661,447 h25 r180; DXF_0731 "Remark: D943-001A11" at 3661,487 h25 r180; DXF_0731 "BGA8_0R4_0R9X1R6" at 3663,658 h30 r180; DXF_0731 "NO" at 3819,568 h35 r180; Bottom Overlay "1" at 3823,523 h16 r180; Bottom Overlay "2" at 3843,523 h16 r180; Bottom Overlay "D" at 3801,606 h16 r180; Bottom Overlay "A" at 3800,534 h16 r180
U14: DXF_0731 "5" at 3169.3,452.24 h16; DXF_0731 "4" at 3244.1,452.24 h16; DXF_0731 "3" at 3244.1,357.76 h16; DXF_0731 "1" at 3169.3,357.76 h16; DXF_0731 "2" at 3206.7,357.76 h16; DXF_0731 "Approved" at 3101.1,405 h35; DXF_0731 "Remark: ***" at 3122.1,527 h25; DXF_0731 "Rev   : A1" at 3122.1,567 h25; DXF_0731 "Date  : 2007-11-01" at 3122.1,607 h25; DXF_0731 "Creat : Sofer Tech" at 3122.1,647 h25; DXF_0731 "Ref PN: ***" at 3122.1,687 h25; DXF_0731 "Sofer Lib Information" at 3092.1,737 h25; DXF_0731 "SOT23-5" at 3119.1,245 h30
U15: DXF_0731 "2" at 2144.77,281.2 h16 r90; DXF_0731 "8" at 2028.63,255.61 h16 r90; DXF_0731 "9" at 2086.7,294 h16 r90; DXF_0731 "3" at 2144.77,306.8 h16 r90; DXF_0731 "6" at 2028.63,306.8 h16 r90; DXF_0731 "4" at 2144.77,332.39 h16 r90; DXF_0731 "1" at 2144.77,255.61 h16 r90; DXF_0731 "7" at 2028.63,281.2 h16 r90; DXF_0731 "5" at 2028.63,332.39 h16 r90; DXF_0731 "SON8_0R65_3X3" at 2105.1,288 h30 r90; DXF_0731 "Sofer Lib Information" at 1741.1,101 h25 r90; DXF_0731 "Ref PN: TPS73701DRBT" at 1791.1,131 h25 r90; DXF_0731 "Creat : Yuki" at 1831.1,131 h25 r90; DXF_0731 "Date  : 2010-09-27" at 1871.1,131 h25 r90; DXF_0731 "Rev   : A1" at 1911.1,131 h25 r90; DXF_0731 "Remark: SH43_QD_PRO_11" at 1951.1,131 h25 r90; DXF_0731 "OK" at 2065.1,294 h35 r90; Top Overlay "4" at 2200,340 h25 r90; Top Overlay "5" at 2020,355 h25 r90; Top Overlay "8" at 2015,225 h25 r90
U16: DXF_0731 "1" at 1331.36,2443.7 h16 r90; DXF_0731 "2" at 1331.36,2411.34 h16 r90; DXF_0731 "5" at 1270.42,2443.7 h16 r90; DXF_0731 "4" at 1270.42,2411.34 h16 r90; DXF_0731 "3" at 1267.39,2362 h16 r90
U17: DXF_0731 "1" at 504.67,2443.7 h16 r90; DXF_0731 "5" at 443.73,2443.7 h16 r90; DXF_0731 "4" at 443.73,2411.34 h16 r90; DXF_0731 "2" at 504.67,2411.34 h16 r90; DXF_0731 "3" at 440.7,2362 h16 r90
U18: DXF_0731 "16" at 956.92,2078.9 h16 r270; DXF_0731 "4" at 1068.44,1914.72 h16 r270; DXF_0731 "9" at 963.32,1941.1 h16 r270; DXF_0731 "6" at 1029.07,1914.72 h16 r270; DXF_0731 "8" at 989.7,1914.72 h16 r270; DXF_0731 "10" at 956.92,1960.79 h16 r270; DXF_0731 "14" at 956.92,2039.53 h16 r270; DXF_0731 "15" at 956.92,2059.21 h16 r270; DXF_0731 "17" at 983.3,2105.28 h16 r270; DXF_0731 "21" at 1062.04,2105.28 h16 r270; DXF_0731 "22" at 1081.73,2105.28 h16 r270; DXF_0731 "31" at 1147.48,1960.79 h16 r270; DXF_0731 "30" at 1147.48,1980.47 h16 r270; DXF_0731 "1" at 1127.5,1914.72 h16 r270; DXF_0731 "11" at 956.92,1980.47 h16 r270; DXF_0731 "5" at 1048.76,1914.72 h16 r270; DXF_0731 "27" at 1147.48,2039.53 h16 r270; DXF_0731 "12" at 956.92,2000.16 h16 r270; DXF_0731 "7" at 1009.39,1914.72 h16 r270; DXF_0731 "13" at 956.92,2019.84 h16 r270; DXF_0731 "18" at 1002.99,2105.28 h16 r270; DXF_0731 "2" at 1107.81,1914.72 h16 r270; DXF_0731 "3" at 1088.13,1914.72 h16 r270; DXF_0731 "29" at 1147.48,2000.16 h16 r270; DXF_0731 "32" at 1147.48,1941.1 h16 r270; DXF_0731 "25" at 1147.48,2078.9 h16 r270; DXF_0731 "26" at 1147.48,2059.21 h16 r270; DXF_0731 "19" at 1022.67,2105.28 h16 r270; DXF_0731 "20" at 1042.36,2105.28 h16 r270; DXF_0731 "23" at 1101.41,2105.28 h16 r270; DXF_0731 "24" at 1121.1,2105.28 h16 r270; DXF_0731 "28" at 1147.48,2019.84 h16 r270; DXF_0731 "33" at 1052.2,2010 h16 r270; DXF_0731 "QFN32_0R5_5X5" at 701,2022 h30 r270; DXF_0731 "Approved" at 953,2010 h35 r270; DXF_0731 "Sofer Lib Information" at 1504,1794 h25 r270; DXF_0731 "Ref PN: CDCM61002RHBT" at 1454,1824 h25 r270; DXF_0731 "Creat : Yuki" at 1414,1824 h25 r270; DXF_0731 "Date  : 2007-12-18" at 1374,1824 h25 r270; DXF_0731 "Rev   : B1" at 1334,1824 h25 r270; DXF_0731 "Remark: ***" at 1294,1824 h25 r270; DXF_0731 "0.5" at 1197,2012 h16 r270; DXF_0731 "5" at 1232,2004 h16 r270; DXF_0731 "5" at 1052,1844 h16 r270; Bottom Overlay "8" at 980,1870 h25; Bottom Overlay "9" at 919,1928 h25 r270; Bottom Overlay "16" at 918,2060 h25 r270; Bottom Overlay "17" at 980,2128 h25 r270; Bottom Overlay "24" at 1195,2125 h25; Bottom Overlay "25" at 1187,2055 h25 r270; Bottom Overlay "32" at 1188,1924 h25 r270
U19: DXF_0731 "6" at 1281.59,1664.7 h16 r180; DXF_0731 "7" at 1281.59,1639.1 h16 r180; DXF_0731 "8" at 1281.59,1613.51 h16 r180; DXF_0731 "3" at 1105.61,1664.7 h16 r180; DXF_0731 "1" at 1105.61,1613.51 h16 r180; DXF_0731 "2" at 1105.61,1639.1 h16 r180; DXF_0731 "5" at 1281.59,1690.29 h16 r180; DXF_0731 "4" at 1105.61,1690.29 h16 r180; DXF_0731 "MSOP8_0R65_3X4R9" at 810,1673.9 h30 r270; DXF_0731 "Approved" at 1088,1651.9 h35 r270; DXF_0731 "Sofer Lib Information" at 1704,1475.9 h25 r270; DXF_0731 "Ref PN: LTC6102CMS8#PBF" at 1654,1505.9 h25 r270; DXF_0731 "Creat : Yuki" at 1614,1505.9 h25 r270; DXF_0731 "Date  : 2007-12-12" at 1574,1505.9 h25 r270; DXF_0731 "Rev   : A1" at 1534,1505.9 h25 r270; DXF_0731 "Remark: ***" at 1494,1505.9 h25 r270; DXF_0731 "0.65" at 1375,1626.9 h16 r270; DXF_0731 "3" at 1407,1640.9 h16 r270; DXF_0731 "4.9" at 1197,1733.9 h16 r270; Bottom Overlay "4" at 1075,1695 h25; Bottom Overlay "5" at 1335,1700 h25; Bottom Overlay "8" at 1330,1575 h25
U20: DXF_0731 "2" at 1105.61,1444.1 h16 r180; DXF_0731 "1" at 1105.61,1418.51 h16 r180; DXF_0731 "5" at 1281.59,1495.29 h16 r180; DXF_0731 "7" at 1281.59,1444.1 h16 r180; DXF_0731 "6" at 1281.59,1469.7 h16 r180; DXF_0731 "3" at 1105.61,1469.7 h16 r180; DXF_0731 "8" at 1281.59,1418.51 h16 r180; DXF_0731 "4" at 1105.61,1495.29 h16 r180; DXF_0731 "MSOP8_0R65_3X4R9" at 810,1478.9 h30 r270; DXF_0731 "Approved" at 1088,1456.9 h35 r270; DXF_0731 "Sofer Lib Information" at 1704,1280.9 h25 r270; DXF_0731 "Ref PN: LTC6102CMS8#PBF" at 1654,1310.9 h25 r270; DXF_0731 "Creat : Yuki" at 1614,1310.9 h25 r270; DXF_0731 "Date  : 2007-12-12" at 1574,1310.9 h25 r270; DXF_0731 "Rev   : A1" at 1534,1310.9 h25 r270; DXF_0731 "Remark: ***" at 1494,1310.9 h25 r270; DXF_0731 "0.65" at 1375,1431.9 h16 r270; DXF_0731 "3" at 1407,1445.9 h16 r270; DXF_0731 "4.9" at 1197,1538.9 h16 r270; Bottom Overlay "4" at 1080,1475 h25; Bottom Overlay "5" at 1330,1510 h25; Bottom Overlay "8" at 1330,1380 h25
U21: DXF_0731 "10" at 1254.06,1081.1 h16; DXF_0731 "11" at 1254.06,1061.42 h16; DXF_0731 "41" at 1053.27,1321.26 h16; DXF_0731 "45" at 1132.01,1321.26 h16; DXF_0731 "44" at 1112.33,1321.26 h16; DXF_0731 "21" at 1033.59,978.74 h16; DXF_0731 "22" at 1013.9,978.74 h16; DXF_0731 "7" at 1247.66,1140.16 h16; DXF_0731 "9" at 1247.66,1100.79 h16; DXF_0731 "39" at 1013.9,1321.26 h16; DXF_0731 "40" at 1033.59,1321.26 h16; DXF_0731 "19" at 1072.96,978.74 h16; DXF_0731 "18" at 1092.64,978.74 h16; DXF_0731 "3" at 1247.66,1218.9 h16; DXF_0731 "25" at 911.54,1041.73 h16; DXF_0731 "37" at 974.53,1321.26 h16; DXF_0731 "34" at 911.54,1218.9 h16; DXF_0731 "4" at 1247.66,1199.21 h16; DXF_0731 "5" at 1247.66,1179.53 h16; DXF_0731 "6" at 1247.66,1159.84 h16; DXF_0731 "1" at 1247.66,1258.27 h16; DXF_0731 "48" at 1191.07,1321.26 h16; DXF_0731 "36" at 911.54,1258.27 h16; DXF_0731 "24" at 974.53,978.74 h16; DXF_0731 "29" at 911.54,1120.47 h16; DXF_0731 "17" at 1112.33,978.74 h16; DXF_0731 "2" at 1247.66,1238.58 h16; DXF_0731 "46" at 1151.7,1321.26 h16; DXF_0731 "20" at 1053.27,978.74 h16; DXF_0731 "16" at 1132.01,978.74 h16; DXF_0731 "43" at 1092.64,1321.26 h16; DXF_0731 "42" at 1072.96,1321.26 h16; DXF_0731 "12" at 1254.06,1041.73 h16; DXF_0731 "13" at 1191.07,978.74 h16; DXF_0731 "14" at 1171.38,978.74 h16; DXF_0731 "15" at 1151.7,978.74 h16; DXF_0731 "38" at 994.22,1321.26 h16; DXF_0731 "26" at 911.54,1061.42 h16; DXF_0731 "27" at 911.54,1081.1 h16; DXF_0731 "28" at 911.54,1100.79 h16; DXF_0731 "30" at 911.54,1140.16 h16; DXF_0731 "31" at 911.54,1159.84 h16; DXF_0731 "32" at 911.54,1179.53 h16; DXF_0731 "33" at 911.54,1199.21 h16; DXF_0731 "35" at 911.54,1238.58 h16; DXF_0731 "23" at 994.22,978.74 h16; DXF_0731 "8" at 1247.66,1120.47 h16; DXF_0731 "47" at 1171.38,1321.26 h16; DXF_0731 "LQFP48_0R5_9X9" at 1237,831 h30; DXF_0731 "Approved" at 1182,1150 h35; DXF_0731 "Sofer Lib Information" at 1271,1622 h25; DXF_0731 "Ref PN: RTL8211CL-GR" at 1241,1572 h25; DXF_0731 "Creat : Yuki" at 1241,1532 h25; DXF_0731 "Date  : 2007-11-27" at 1241,1492 h25; DXF_0731 "Rev   : B1" at 1241,1452 h25; DXF_0731 "Remark: ***" at 1241,1412 h25; DXF_0731 "0.5" at 1327,1179 h16; DXF_0731 "9" at 1070,895 h16; DXF_0731 "9" at 1366,1133 h16; Bottom Overlay "48" at 1200,1360 h25 r180; Bottom Overlay "37" at 910,1355 h25 r180; Bottom Overlay "36" at 875,1300 h25 r180; Bottom Overlay "25" at 880,1015 h25 r180; Bottom Overlay "24" at 905,980 h25 r180; Bottom Overlay "13" at 1200,950 h25 r180; Bottom Overlay "12" at 1250,1020 h25 r180
U22: DXF_0731 "5" at 4706.36,1260 h16 r90; DXF_0731 "2" at 4800.84,1260 h16 r90; DXF_0731 "6" at 4706.36,1222.6 h16 r90; DXF_0731 "1" at 4800.84,1222.6 h16 r90; DXF_0731 "4" at 4706.36,1297.4 h16 r90; DXF_0731 "3" at 4800.84,1297.4 h16 r90; DXF_0731 "Creat : Jacky" at 4530,1160 h25 r90; DXF_0731 "Sofer Lib Information" at 4440,1130 h25 r90; DXF_0731 "Ref PN: RT9293BGJ6" at 4490,1160 h25 r90; DXF_0731 "Date  : 2009-09-28" at 4570,1160 h25 r90; DXF_0731 "Rev   : B2" at 4610,1160 h25 r90; DXF_0731 "Remark: update pin size by Jacky" at 4650,1160 h25 r90; DXF_0731 "Approved" at 4648,1260 h35 r90; DXF_0731 "SOT23-6" at 4811,1255 h30 r90